# KiCad board accurate2_eval.kicad_pcb (continued)
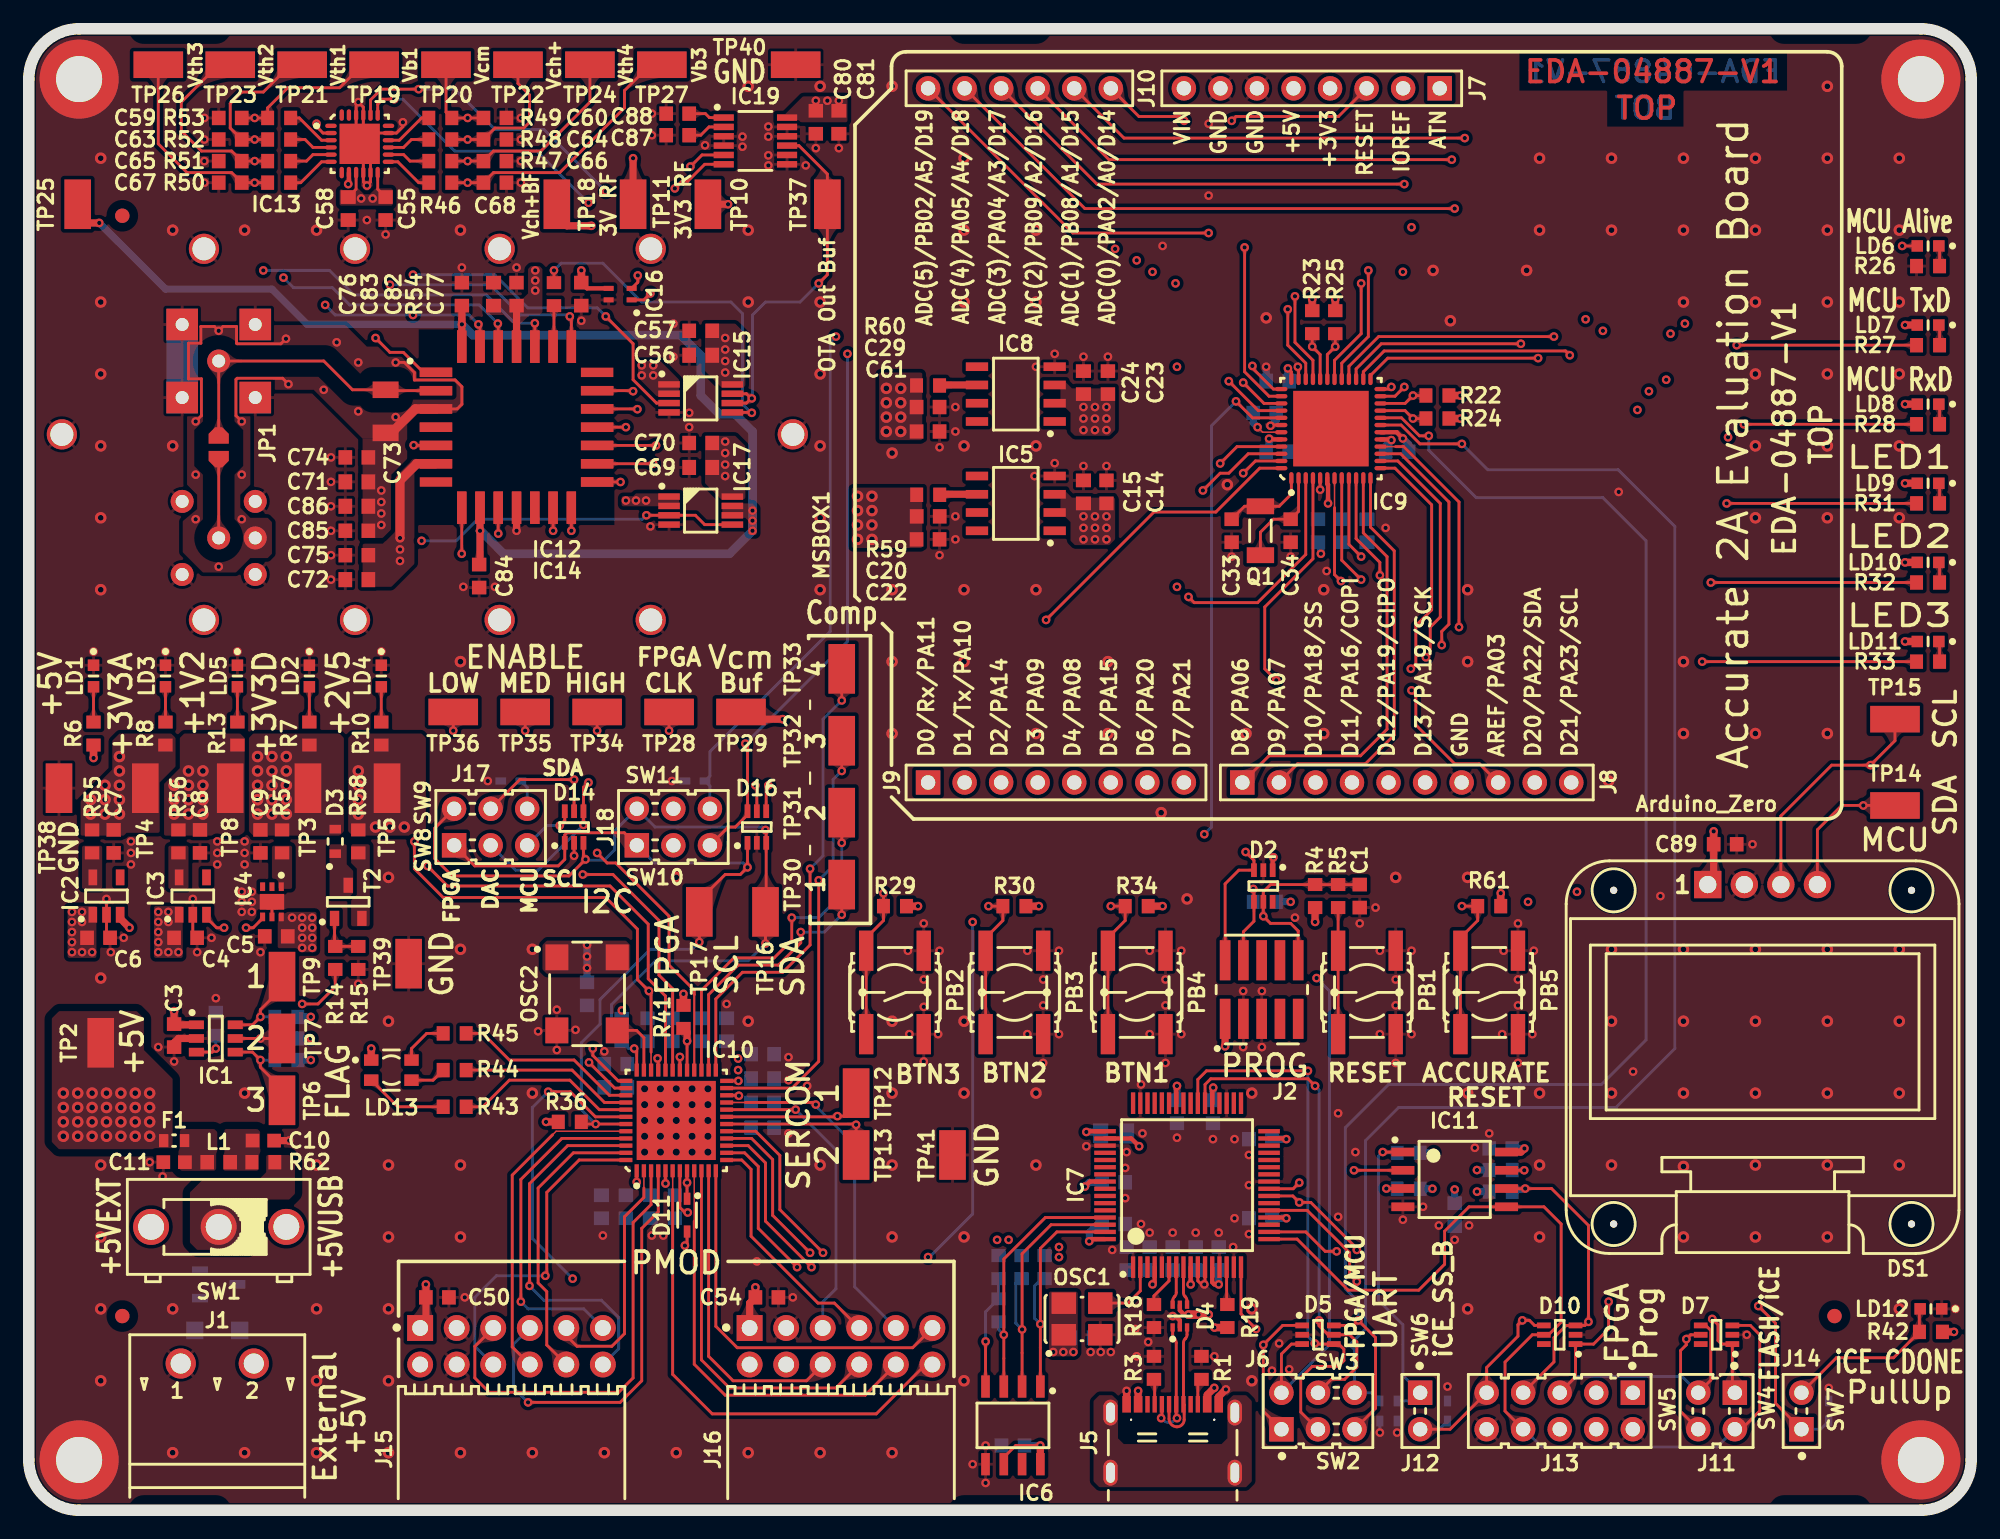
[diagram p0: board, top side]
## Library data of the parts (continued)
R2 R7 R8 R10 R13 R19 R29-R34 R42 = -: Datasheet: \\cern.ch\dfs\Applications\Altium\Datasheets\R0603_NIC_NRC.pdf; Author: CERN DEM JLC; Case: 0603; Comment: 1k; Component Kind: Standard; Component Type: Standard; CreateDate: 12/03/07 00:00:00; Database Table Name: Resistors; Footprint Library: Resistors SMD; Footprint Path: PcbLib\Resistors SMD.PcbLib; Footprint Ref: RESC1608X55N; HelpURL: \\cern.ch\dfs\Applications\Altium\Datasheets\R0603_NIC_NRC.pdf; LatestRevisionDate: 03/13/08 00:00:00; Library Name: Resistors SMD; Library Path: SchLib\Resistors.SchLib; Library Ref: Resistor - 1%; License: This work is licensed under the Creative Commons CC-BY-SA 4.0 License. To the extent that circuit schematics that use Licensed Material can be considered to be ‘Adapted Material’, then the copyright holder waives article 3.b of the license with respect to these schematics.; Manufacturer: GENERIC; Manufacturer1 ComponentHeight: 0.55mm; Manufacturer1 Example: NIC COMPONENT; Manufacturer1 Part Number: NRC06F1001TRF; Mounted: Yes; Part Description: General Purpose Thick Film Chip Resistor; Pin Count: 2; Power: 0.1W; PressFit: No; SMD: Yes; Sense: No; Socket: No; Status: Preferred; TC: ±100ppm/°C; Tolerance: ±1%; Val: 1k
R4 R16 R20 R21 R37-R40 R61 = -: Datasheet: \\cern.ch\dfs\Applications\Altium\Datasheets\R0603_NIC_NRC.pdf; Author: CERN DEM JLC; Case: 0603; Comment: 10k; Component Kind: Standard; Component Type: Standard; CreateDate: 12/03/07 00:00:00; Database Table Name: Resistors; Footprint Library: Resistors SMD; Footprint Path: PcbLib\Resistors SMD.PcbLib; Footprint Ref: RESC1608X55N; HelpURL: \\cern.ch\dfs\Applications\Altium\Datasheets\R0603_NIC_NRC.pdf; LatestRevisionDate: 03/13/08 00:00:00; Library Name: Resistors SMD; Library Path: SchLib\Resistors.SchLib; Library Ref: Resistor - 1%; License: This work is licensed under the Creative Commons CC-BY-SA 4.0 License. To the extent that circuit schematics that use Licensed Material can be considered to be ‘Adapted Material’, then the copyright holder waives article 3.b of the license with respect to these schematics.; Manufacturer: GENERIC; Manufacturer1 ComponentHeight: 0.55mm; Manufacturer1 Example: NIC COMPONENT; Manufacturer1 Part Number: NRC06F1002TRF; Mounted: Yes; Part Description: General Purpose Thick Film Chip Resistor; Pin Count: 2; Power: 0.1W; PressFit: No; SMD: Yes; Sense: No; Socket: No; Status: Preferred; TC: ±100ppm/°C; Tolerance: ±1%; Val: 10k
R5 R15 = -: Datasheet: \\cern.ch\dfs\Applications\Altium\Datasheets\R0603_NIC_NRC.pdf; Author: CERN DEM JLC; Case: 0603; Comment: 330; Component Kind: Standard; Component Type: Standard; CreateDate: 12/03/07 00:00:00; Database Table Name: Resistors; Footprint Library: Resistors SMD; Footprint Path: PcbLib\Resistors SMD.PcbLib; Footprint Ref: RESC1608X55N; HelpURL: \\cern.ch\dfs\Applications\Altium\Datasheets\R0603_NIC_NRC.pdf; LatestRevisionDate: 03/13/08 00:00:00; Library Name: Resistors SMD; Library Path: SchLib\Resistors.SchLib; Library Ref: Resistor - 1%; License: This work is licensed under the Creative Commons CC-BY-SA 4.0 License. To the extent that circuit schematics that use Licensed Material can be considered to be ‘Adapted Material’, then the copyright holder waives article 3.b of the license with respect to these schematics.; Manufacturer: GENERIC; Manufacturer1 ComponentHeight: 0.55mm; Manufacturer1 Example: NIC COMPONENT; Manufacturer1 Part Number: NRC06F3300TRF; Mounted: Yes; Part Description: General Purpose Thick Film Chip Resistor; Pin Count: 2; Power: 0.1W; PressFit: No; SMD: Yes; Sense: No; Socket: No; Status: Preferred; TC: ±100ppm/°C; Tolerance: ±1%; Val: 330
R6 R17 R43-R45 = -: Datasheet: \\cern.ch\dfs\Applications\Altium\Datasheets\R0603_NIC_NRC.pdf; Author: CERN DEM JLC; Case: 0603; Comment: 2k2; Component Kind: Standard; Component Type: Standard; CreateDate: 12/03/07 00:00:00; Database Table Name: Resistors; Footprint Library: Resistors SMD; Footprint Path: PcbLib\Resistors SMD.PcbLib; Footprint Ref: RESC1608X55N; HelpURL: \\cern.ch\dfs\Applications\Altium\Datasheets\R0603_NIC_NRC.pdf; LatestRevisionDate: 03/13/08 00:00:00; Library Name: Resistors SMD; Library Path: SchLib\Resistors.SchLib; Library Ref: Resistor - 1%; License: This work is licensed under the Creative Commons CC-BY-SA 4.0 License. To the extent that circuit schematics that use Licensed Material can be considered to be ‘Adapted Material’, then the copyright holder waives article 3.b of the license with respect to these schematics.; Manufacturer: GENERIC; Manufacturer1 ComponentHeight: 0.55mm; Manufacturer1 Example: NIC COMPONENT; Manufacturer1 Part Number: NRC06F2201TRF; Mounted: Yes; Part Description: General Purpose Thick Film Chip Resistor; Pin Count: 2; Power: 0.1W; PressFit: No; SMD: Yes; Sense: No; Socket: No; Status: Preferred; TC: ±100ppm/°C; Tolerance: ±1%; Val: 2k2
R9 R11 R12 = -: Datasheet: \\cern.ch\dfs\Applications\Altium\Datasheets\R0603_NIC_NRC.pdf; Author: CERN DEM JLC; Case: 0603; Comment: 100k; Component Kind: Standard; Component Type: Standard; CreateDate: 12/03/07 00:00:00; Database Table Name: Resistors; Footprint Library: Resistors SMD; Footprint Path: PcbLib\Resistors SMD.PcbLib; Footprint Ref: RESC1608X55N; HelpURL: \\cern.ch\dfs\Applications\Altium\Datasheets\R0603_NIC_NRC.pdf; LatestRevisionDate: 03/13/08 00:00:00; Library Name: Resistors SMD; Library Path: SchLib\Resistors.SchLib; Library Ref: Resistor - 1%; License: This work is licensed under the Creative Commons CC-BY-SA 4.0 License. To the extent that circuit schematics that use Licensed Material can be considered to be ‘Adapted Material’, then the copyright holder waives article 3.b of the license with respect to these schematics.; Manufacturer: GENERIC; Manufacturer1 ComponentHeight: 0.55mm; Manufacturer1 Example: NIC COMPONENT; Manufacturer1 Part Number: NRC06F1003TRF; Mounted: Yes; Part Description: General Purpose Thick Film Chip Resistor; Pin Count: 2; Power: 0.1W; PressFit: No; SMD: Yes; Sense: No; Socket: No; Status: Preferred; TC: ±100ppm/°C; Tolerance: ±1%; Val: 100k
R14 R26-R28 = -: Datasheet: \\cern.ch\dfs\Applications\Altium\Datasheets\R0603_NIC_NRC.pdf; Author: CERN DEM JLC; Case: 0603; Comment: 470; Component Kind: Standard; Component Type: Standard; CreateDate: 12/03/07 00:00:00; Database Table Name: Resistors; Footprint Library: Resistors SMD; Footprint Path: PcbLib\Resistors SMD.PcbLib; Footprint Ref: RESC1608X55N; HelpURL: \\cern.ch\dfs\Applications\Altium\Datasheets\R0603_NIC_NRC.pdf; LatestRevisionDate: 03/13/08 00:00:00; Library Name: Resistors SMD; Library Path: SchLib\Resistors.SchLib; Library Ref: Resistor - 1%; License: This work is licensed under the Creative Commons CC-BY-SA 4.0 License. To the extent that circuit schematics that use Licensed Material can be considered to be ‘Adapted Material’, then the copyright holder waives article 3.b of the license with respect to these schematics.; Manufacturer: GENERIC; Manufacturer1 ComponentHeight: 0.55mm; Manufacturer1 Example: NIC COMPONENT; Manufacturer1 Part Number: NRC06F4700TRF; Mounted: Yes; Part Description: General Purpose Thick Film Chip Resistor; Pin Count: 2; Power: 0.1W; PressFit: No; SMD: Yes; Sense: No; Socket: No; Status: Preferred; TC: ±100ppm/°C; Tolerance: ±1%; Val: 470
R18 = -: Datasheet: \\cern.ch\dfs\Applications\Altium\Datasheets\R0603_NIC_NRC.pdf; Author: CERN DEM JLC; Case: 0603; Comment: 12k; Component Kind: Standard; Component Type: Standard; CreateDate: 12/03/07 00:00:00; Database Table Name: Resistors; Footprint Library: Resistors SMD; Footprint Path: PcbLib\Resistors SMD.PcbLib; Footprint Ref: RESC1608X55N; HelpURL: \\cern.ch\dfs\Applications\Altium\Datasheets\R0603_NIC_NRC.pdf; LatestRevisionDate: 03/13/08 00:00:00; Library Name: Resistors SMD; Library Path: SchLib\Resistors.SchLib; Library Ref: Resistor - 1%; License: This work is licensed under the Creative Commons CC-BY-SA 4.0 License. To the extent that circuit schematics that use Licensed Material can be considered to be ‘Adapted Material’, then the copyright holder waives article 3.b of the license with respect to these schematics.; Manufacturer: GENERIC; Manufacturer1 ComponentHeight: 0.55mm; Manufacturer1 Example: NIC COMPONENT; Manufacturer1 Part Number: NRC06F1202TRF; Mounted: Yes; Part Description: General Purpose Thick Film Chip Resistor; Pin Count: 2; Power: 0.1W; PressFit: No; SMD: Yes; Sense: No; Socket: No; Status: Preferred; TC: ±100ppm/°C; Tolerance: ±1%; Val: 12k
R22 R24 R35 R36 = -: Datasheet: \\cern.ch\dfs\Applications\Altium\Datasheets\R0603_NIC_NRC.pdf; Author: CERN DEM JLC; Case: 0603; Comment: 4k7; Component Kind: Standard; Component Type: Standard; CreateDate: 12/03/07 00:00:00; Database Table Name: Resistors; Footprint Library: Resistors SMD; Footprint Path: PcbLib\Resistors SMD.PcbLib; Footprint Ref: RESC1608X55N; HelpURL: \\cern.ch\dfs\Applications\Altium\Datasheets\R0603_NIC_NRC.pdf; LatestRevisionDate: 03/13/08 00:00:00; Library Name: Resistors SMD; Library Path: SchLib\Resistors.SchLib; Library Ref: Resistor - 1%; License: This work is licensed under the Creative Commons CC-BY-SA 4.0 License. To the extent that circuit schematics that use Licensed Material can be considered to be ‘Adapted Material’, then the copyright holder waives article 3.b of the license with respect to these schematics.; Manufacturer: GENERIC; Manufacturer1 ComponentHeight: 0.55mm; Manufacturer1 Example: NIC COMPONENT; Manufacturer1 Part Number: NRC06F4701TRF; Mounted: No; Part Description: General Purpose Thick Film Chip Resistor; Pin Count: 2; Power: 0.1W; PressFit: No; SMD: Yes; Sense: No; Socket: No; Status: Preferred; TC: ±100ppm/°C; Tolerance: ±1%; Val: 4k7
R23 R25 = -: Datasheet: \\cern.ch\dfs\Applications\Altium\Datasheets\R0603_NIC_NRC.pdf; Author: CERN DEM JLC; Case: 0603; Comment: 4k7; Component Kind: Standard; Component Type: Standard; CreateDate: 12/03/07 00:00:00; Database Table Name: Resistors; Footprint Library: Resistors SMD; Footprint Path: PcbLib\Resistors SMD.PcbLib; Footprint Ref: RESC1608X55N; HelpURL: \\cern.ch\dfs\Applications\Altium\Datasheets\R0603_NIC_NRC.pdf; LatestRevisionDate: 03/13/08 00:00:00; Library Name: Resistors SMD; Library Path: SchLib\Resistors.SchLib; Library Ref: Resistor - 1%; License: This work is licensed under the Creative Commons CC-BY-SA 4.0 License. To the extent that circuit schematics that use Licensed Material can be considered to be ‘Adapted Material’, then the copyright holder waives article 3.b of the license with respect to these schematics.; Manufacturer: GENERIC; Manufacturer1 ComponentHeight: 0.55mm; Manufacturer1 Example: NIC COMPONENT; Manufacturer1 Part Number: NRC06F4701TRF; Mounted: Yes; Part Description: General Purpose Thick Film Chip Resistor; Pin Count: 2; Power: 0.1W; PressFit: No; SMD: Yes; Sense: No; Socket: No; Status: Preferred; TC: ±100ppm/°C; Tolerance: ±1%; Val: 4k7
R41 = -: Datasheet: \\cern.ch\dfs\Applications\Altium\Datasheets\R0603_NIC_NRC.pdf; Author: CERN DEM JLC; Case: 0603; Comment: 100; Component Kind: Standard; Component Type: Standard; CreateDate: 12/03/07 00:00:00; Database Table Name: Resistors; Footprint Library: Resistors SMD; Footprint Path: PcbLib\Resistors SMD.PcbLib; Footprint Ref: RESC1608X55N; HelpURL: \\cern.ch\dfs\Applications\Altium\Datasheets\R0603_NIC_NRC.pdf; LatestRevisionDate: 03/13/08 00:00:00; Library Name: Resistors SMD; Library Path: SchLib\Resistors.SchLib; Library Ref: Resistor - 1%; License: This work is licensed under the Creative Commons CC-BY-SA 4.0 License. To the extent that circuit schematics that use Licensed Material can be considered to be ‘Adapted Material’, then the copyright holder waives article 3.b of the license with respect to these schematics.; Manufacturer: GENERIC; Manufacturer1 ComponentHeight: 0.55mm; Manufacturer1 Example: NIC COMPONENT; Manufacturer1 Part Number: NRC06F4700TRF; Mounted: Yes; Part Description: General Purpose Thick Film Chip Resistor; Pin Count: 2; Power: 0.1W; PressFit: No; SMD: Yes; Sense: No; Socket: No; Status: Preferred; TC: ±100ppm/°C; Tolerance: ±1%; Val: 100
R46-R60 R62 = -: Datasheet: \\cern.ch\dfs\Applications\Altium\Datasheets\R0603_NIC_NRC.pdf; Author: CERN DEM JLC; Case: 0603; Comment: 0; Component Kind: Standard; Component Type: Standard; CreateDate: 12/03/07 00:00:00; Database Table Name: Resistors; Footprint Library: Resistors SMD; Footprint Path: PcbLib\Resistors SMD.PcbLib; Footprint Ref: RESC1608X55N; HelpURL: \\cern.ch\dfs\Applications\Altium\Datasheets\R0603_NIC_NRC.pdf; LatestRevisionDate: 03/13/08 00:00:00; Library Name: Resistors SMD; Library Path: SchLib\Resistors.SchLib; Library Ref: Resistor; License: This work is licensed under the Creative Commons CC-BY-SA 4.0 License. To the extent that circuit schematics that use Licensed Material can be considered to be ‘Adapted Material’, then the copyright holder waives article 3.b of the license with respect to these schematics.; Manufacturer: GENERIC; Manufacturer1 ComponentHeight: 0.55mm; Manufacturer1 Example: NIC COMPONENT; Manufacturer1 Part Number: NRC06Z0; Mounted: Yes; Part Description: 1A (0.05R Max DC Resistance) Zero Ohm Jumper; Pin Count: 2; PressFit: No; SMD: Yes; Sense: No; Socket: No; Status: Preferred; Val: 0
SW1 = -: Datasheet: \\cern.ch\dfs\Applications\Altium\Datasheets\SW_NKK_MS.pdf; Author: CERN DEM HF; Component Kind: Standard; Component Type: Standard; ComponentHeight: 13.05mm; CreateDate: 10/30/23 00:00:00; Database Table Name: Eletro-mechanical; Family: Switch; Footprint Library: Switches; Footprint Path: PcbLib\Switches.PcbLib; HelpURL: \\cern.ch\dfs\Applications\Altium\Datasheets\SW_NKK_MS.pdf; LatestRevisionDate: 10/30/23 00:00:00; Library Name: Switches; Library Path: SchLib\Switches.SchLib; Library Ref: SW SPDT 1NC-2C-3NO; License: This work is licensed under the Creative Commons CC-BY-SA 4.0 License. To the extent that circuit schematics that use Licensed Material can be considered to be ‘Adapted Material’, then the copyright holder waives article 3.b of the license with respect to these schematics.; Manufacturer: NKK SWITCHES; Manufacturer Part Number: MS12ANW03; Mounted: Yes; PackageDescription: Body 6.6x12.7mm, Vertical PCB Mounting, SPDT ON-NONE-ON Switch, NKK MS Series; Part Description: Vertical PCB Mounting, SPDT ON-NONE-ON Switch, Contact Rating 6A 125V, NKK MS Series; Pin Count: 3; PressFit: No; SMD: No; Sense: No; Socket: No; Status: None
SW2-SW11 = -: Datasheet: \\cern.ch\dfs\Applications\Altium\Datasheets\STELVIO-KONTEK_3131730000400.pdf; Author: CERN DEM JLC; Component Kind: Accessories; Component Type: Standard; ComponentHeight: 6.5mm; CreateDate: 08/27/13 00:00:00; Database Table Name: Connectors; Family: Jumper; Footprint Library: COMATEL THD; Footprint Path: PcbLib\COMATEL THD.PcbLib; Footprint Ref: STELVIO-KONTEK_3131730000400; HelpURL: \\cern.ch\dfs\Applications\Altium\Datasheets\STELVIO-KONTEK_3131730000400.pdf; LatestRevisionDate: 08/27/13 00:00:00; Library Name: STELVIO-KONTEK COMATEL; Library Path: SchLib\Connectors.SchLib; Library Ref: Jumper Type1; License: This work is licensed under the Creative Commons CC-BY-SA 4.0 License. To the extent that circuit schematics that use Licensed Material can be considered to be ‘Adapted Material’, then the copyright holder waives article 3.b of the license with respect to these schematics.; Manufacturer: STELVIO-KONTEK; Manufacturer Part Number: 3131730000400; Mounted: Yes; Part Description: Closed Insulated Black Jumper Pitch 2.54mm; Part Number: STELVIO-KONTEK_3131730000400; Pin Count: 1; PressFit: No; SCEM: 09.55.10.960.9; SMD: No; Sense: No; Socket: No; Status: None
T1 = -: Datasheet: \\cern.ch\dfs\Applications\Altium\Datasheets\DMP2066LSN-7.pdf; Author: CERN DEM JLC; Bonding: No; Case: SOT23-3; Component Kind: Standard; Component Type: Standard; ComponentHeight: 1.4mm; CreateDate: 11/17/14 00:00:00; Database Table Name: ICs And Semiconductors; Footprint Library: ICs And Semiconductors SMD; Footprint Path: PcbLib\ICs And Semiconductors SMD.PcbLib; Footprint Ref: SOT95P285X140-3N; HelpURL: \\cern.ch\dfs\Applications\Altium\Datasheets\DMP2066LSN-7.pdf; LatestRevisionDate: 11/17/14 00:00:00; Library Name: Transistors; Library Path: SchLib\Transistors.SchLib; Library Ref: P-MOSFET-D 1G 2S 3D; License: This work is licensed under the Creative Commons CC-BY-SA 4.0 License. To the extent that circuit schematics that use Licensed Material can be considered to be ‘Adapted Material’, then the copyright holder waives article 3.b of the license with respect to these schematics.; Manufacturer: DIODES INCORPORATED; Mounted: Yes; PackageDescription: SOT, 0.95mm Pitch; 3 Pin, 1.60mm W X 3.00mm L X 1.40mm H body, IPC Medium Density; Part Description: 20V, 4.6A, P-Channel Enhancement Mode MOSFET; Pin Count: 3; PressFit: No; SMD: Yes; Sense: No; Socket: No
T2 = -: Datasheet: \\cern.ch\dfs\Applications\Altium\Datasheets\2N7002.pdf; Author: CERN DEM JLC; Bonding: No; Case: SOT23-3; Component Kind: Standard; Component Type: Standard; ComponentHeight: 1.3mm; CreateDate: 08/20/08 00:00:00; Database Table Name: ICs And Semiconductors; Footprint Library: ICs And Semiconductors SMD; Footprint Path: PcbLib\ICs And Semiconductors SMD.PcbLib; Footprint Ref: SOT95P240X130-3N; HelpURL: \\cern.ch\dfs\Applications\Altium\Datasheets\2N7002.pdf; LatestRevisionDate: 04/07/09 00:00:00; Library Name: Transistors; Library Path: SchLib\Transistors.SchLib; Library Ref: N-MOSFET-D 1G 2S 3D; License: This work is licensed under the Creative Commons CC-BY-SA 4.0 License. To the extent that circuit schematics that use Licensed Material can be considered to be ‘Adapted Material’, then the copyright holder waives article 3.b of the license with respect to these schematics.; Manufacturer: FAIRCHILD SEMICONDUCTOR; Mounted: Yes; PackageDescription: SOT23, 0.95mm Pitch; 3 Pin, 1.30mm W X 2.90mm L X 1.30mm H body, IPC Medium Density; Part Description: 60V, 280mA, N-Channel Enhancement Mode Field Effect Transistor (FET); Pin Count: 3; PressFit: No; SMD: Yes; Sense: No; Socket: No
TP2-TP6 TP8 TP10 TP11 TP13 TP14 TP17-TP33 TP35 TP37-TP41 = -: Datasheet: \\cern.ch\dfs\Applications\Altium\Datasheets\HARWIN_S1751-46.pdf; Author: CERN DEM MR; Component Kind: Standard; Component Type: Standard; ComponentHeight: 2mm; CreateDate: 02/10/16 00:00:00; Database Table Name: Connectors; Family: Test Point; Footprint Library: HARWIN SMD; Footprint Path: PcbLib\HARWIN SMD.PcbLib; HelpURL: \\cern.ch\dfs\Applications\Altium\Datasheets\HARWIN_S1751-46.pdf; LatestRevisionDate: 10/11/23 00:00:00; Library Name: HARWIN; Library Path: SchLib\Connectors.SchLib; Library Ref: Test Point; License: This work is licensed under the Creative Commons CC-BY-SA 4.0 License. To the extent that circuit schematics that use Licensed Material can be considered to be ‘Adapted Material’, then the copyright holder waives article 3.b of the license with respect to these schematics.; Manufacturer: HARWIN; Manufacturer Part Number: S1751-46R; Mounted: Yes; Part Description: Surface Mount PCB Test Point; Pin Count: 1; PressFit: No; SMD: Yes; Sense: No; Socket: No; Status: None
TP7 TP9 = -: Datasheet: \\cern.ch\dfs\Applications\Altium\Datasheets\HARWIN_S1751-46.pdf; Author: CERN DEM MR; Component Kind: Standard; Component Type: Standard; ComponentHeight: 2mm; CreateDate: 02/10/16 00:00:00; Database Table Name: Connectors; Family: Test Point; Footprint Library: HARWIN SMD; Footprint Path: PcbLib\HARWIN SMD.PcbLib; HelpURL: \\cern.ch\dfs\Applications\Altium\Datasheets\HARWIN_S1751-46.pdf; LatestRevisionDate: 10/11/23 00:00:00; Library Name: HARWIN; Library Path: SchLib\Connectors.SchLib; Library Ref: Test Point; License: This work is licensed under the Creative Commons CC-BY-SA 4.0 License. To the extent that circuit schematics that use Licensed Material can be considered to be ‘Adapted Material’, then the copyright holder waives article 3.b of the license with respect to these schematics.; Manufacturer: HARWIN; Manufacturer Part Number: S1751-46R; Mounted: Yes; Part Description: Surface Mount PCB Test Point; Pin Count: 1; PressFit: No; SMD: Yes; Sense: No; Socket: No; Status: None; Field47: FLAG
TP12 = -: Datasheet: \\cern.ch\dfs\Applications\Altium\Datasheets\HARWIN_S1751-46.pdf; Author: CERN DEM MR; Component Kind: Standard; Component Type: Standard; ComponentHeight: 2mm; CreateDate: 02/10/16 00:00:00; Database Table Name: Connectors; Family: Test Point; Footprint Library: HARWIN SMD; Footprint Path: PcbLib\HARWIN SMD.PcbLib; HelpURL: \\cern.ch\dfs\Applications\Altium\Datasheets\HARWIN_S1751-46.pdf; LatestRevisionDate: 10/11/23 00:00:00; Library Name: HARWIN; Library Path: SchLib\Connectors.SchLib; Library Ref: Test Point; License: This work is licensed under the Creative Commons CC-BY-SA 4.0 License. To the extent that circuit schematics that use Licensed Material can be considered to be ‘Adapted Material’, then the copyright holder waives article 3.b of the license with respect to these schematics.; Manufacturer: HARWIN; Manufacturer Part Number: S1751-46R; Mounted: Yes; Part Description: Surface Mount PCB Test Point; Pin Count: 1; PressFit: No; SMD: Yes; Sense: No; Socket: No; Status: None; Field47: SERCOM
TP15 = -: Datasheet: \\cern.ch\dfs\Applications\Altium\Datasheets\HARWIN_S1751-46.pdf; Author: CERN DEM MR; Component Kind: Standard; Component Type: Standard; ComponentHeight: 2mm; CreateDate: 02/10/16 00:00:00; Database Table Name: Connectors; Family: Test Point; Footprint Library: HARWIN SMD; Footprint Path: PcbLib\HARWIN SMD.PcbLib; HelpURL: \\cern.ch\dfs\Applications\Altium\Datasheets\HARWIN_S1751-46.pdf; LatestRevisionDate: 10/11/23 00:00:00; Library Name: HARWIN; Library Path: SchLib\Connectors.SchLib; Library Ref: Test Point; License: This work is licensed under the Creative Commons CC-BY-SA 4.0 License. To the extent that circuit schematics that use Licensed Material can be considered to be ‘Adapted Material’, then the copyright holder waives article 3.b of the license with respect to these schematics.; Manufacturer: HARWIN; Manufacturer Part Number: S1751-46R; Mounted: Yes; Part Description: Surface Mount PCB Test Point; Pin Count: 1; PressFit: No; SMD: Yes; Sense: No; Socket: No; Status: None; Field47: MCU
TP16 = -: Datasheet: \\cern.ch\dfs\Applications\Altium\Datasheets\HARWIN_S1751-46.pdf; Author: CERN DEM MR; Component Kind: Standard; Component Type: Standard; ComponentHeight: 2mm; CreateDate: 02/10/16 00:00:00; Database Table Name: Connectors; Family: Test Point; Footprint Library: HARWIN SMD; Footprint Path: PcbLib\HARWIN SMD.PcbLib; HelpURL: \\cern.ch\dfs\Applications\Altium\Datasheets\HARWIN_S1751-46.pdf; LatestRevisionDate: 10/11/23 00:00:00; Library Name: HARWIN; Library Path: SchLib\Connectors.SchLib; Library Ref: Test Point; License: This work is licensed under the Creative Commons CC-BY-SA 4.0 License. To the extent that circuit schematics that use Licensed Material can be considered to be ‘Adapted Material’, then the copyright holder waives article 3.b of the license with respect to these schematics.; Manufacturer: HARWIN; Manufacturer Part Number: S1751-46R; Mounted: Yes; Part Description: Surface Mount PCB Test Point; Pin Count: 1; PressFit: No; SMD: Yes; Sense: No; Socket: No; Status: None; Field47: FPGA
TP34 TP36 = -: Datasheet: \\cern.ch\dfs\Applications\Altium\Datasheets\HARWIN_S1751-46.pdf; Author: CERN DEM MR; Component Kind: Standard; Component Type: Standard; ComponentHeight: 2mm; CreateDate: 02/10/16 00:00:00; Database Table Name: Connectors; Family: Test Point; Footprint Library: HARWIN SMD; Footprint Path: PcbLib\HARWIN SMD.PcbLib; HelpURL: \\cern.ch\dfs\Applications\Altium\Datasheets\HARWIN_S1751-46.pdf; LatestRevisionDate: 10/11/23 00:00:00; Library Name: HARWIN; Library Path: SchLib\Connectors.SchLib; Library Ref: Test Point; License: This work is licensed under the Creative Commons CC-BY-SA 4.0 License. To the extent that circuit schematics that use Licensed Material can be considered to be ‘Adapted Material’, then the copyright holder waives article 3.b of the license with respect to these schematics.; Manufacturer: HARWIN; Manufacturer Part Number: S1751-46R; Mounted: Yes; Part Description: Surface Mount PCB Test Point; Pin Count: 1; PressFit: No; SMD: Yes; Sense: No; Socket: No; Status: None; Field47: ENABLE

## Footprints (pads in the part's own frame, mm; a bottom-side part is the same pattern mirrored in y, then rotated)
CAPC1608X87N
  rect 0.95x1 smd: 1(-0.8,0) 2(0.8,0)
CAPC1608X90N
  rect 0.95x0.95 smd: 1(-0.75,0) 2(0.75,0)
CAPC1709X100N
  rect 0.95x1.05 smd: 1(-0.8,0) 2(0.8,0)
CAPC2012X135N
  rect 1.05x1.4 smd: 1(-0.9,0) 2(0.9,0)
CAPC3216X140N
  rect 1.15x1.8 smd: 1(-1.5,0) 2(1.5,0)
CERN_aCCURATE1
  rect 2.25x0.65 smd: 1(-5.6,3.81) 2(-5.6,2.54) 3(-5.6,1.27) 4(-5.6,0) 5(-5.6,-1.27) 6(-5.6,-2.54) 14(5.6,-3.81) 15(5.6,-2.54) 16(5.6,-1.27) 17(5.6,0) 18(5.6,1.27) 19(5.6,2.54) L1(-5.6,3.81) L2(-5.6,2.54) L3(-5.6,1.27) L4(-5.6,0) L5(-5.6,-1.27) L6(-5.6,-2.54) L14(5.6,-3.81) L15(5.6,-2.54) L16(5.6,-1.27) L17(5.6,0) L18(5.6,1.27) L19(5.6,2.54)
  rect 0.65x2.25 smd: 7(-3.81,-5.6) 8(-2.54,-5.6) 9(-1.27,-5.6) 10(0,-5.6) 11(1.27,-5.6) 12(2.54,-5.6) 13(3.81,-5.6) 20(3.81,5.6) 21(2.54,5.6) 22(1.27,5.6) 23(0,5.6) 24(-1.27,5.6) 25(-2.54,5.6) 26(-3.81,5.6) L7(-3.81,-5.6) L8(-2.54,-5.6) L9(-1.27,-5.6) L10(0,-5.6) L11(1.27,-5.6) L12(2.54,-5.6) L13(3.81,-5.6) L20(3.81,5.6) L21(2.54,5.6) L22(1.27,5.6) L23(0,5.6) L24(-1.27,5.6) L25(-2.54,5.6) L26(-3.81,5.6)
  rect 0.105x0.102 smd: D1(-0.653,0.375) D2(-0.653,0.225) D3(-0.653,0.075) D4(-0.653,-0.075) D5(-0.653,-0.225) D6(-0.653,-0.375) D14(0.653,-0.375) D15(0.653,-0.225) D16(0.653,-0.075) D17(0.653,0.075) D18(0.653,0.225) D19(0.653,0.375)
  rect 0.102x0.105 smd: D7(-0.45,-0.578) D8(-0.3,-0.578) D9(-0.15,-0.578) D10(0,-0.578) D11(0.15,-0.578) D12(0.3,-0.578) D13(0.45,-0.578) D20(0.45,0.578) D21(0.3,0.578) D22(0.15,0.578) D23(0,0.578) D24(-0.15,0.578) D25(-0.3,0.578) D26(-0.45,0.578)
CERN_aCCURATE_JLCC28
  rect 2.25x0.65 smd: 1(-5.6,3.81) 2(-5.6,2.54) 3(-5.6,1.27) 4(-5.6,0) 5(-5.6,-1.27) 6(-5.6,-2.54) 7(-5.6,-3.81) 15(5.6,-3.81) 16(5.6,-2.54) 17(5.6,-1.27) 18(5.6,0) 19(5.6,1.27) 20(5.6,2.54) 21(5.6,3.81)
  rect 0.65x2.25 smd: 8(-3.81,-5.6) 9(-2.54,-5.6) 10(-1.27,-5.6) 11(0,-5.6) 12(1.27,-5.6) 13(2.54,-5.6) 14(3.81,-5.6) 22(3.81,5.6) 23(2.54,5.6) 24(1.27,5.6) 25(0,5.6) 26(-1.27,5.6) 27(-2.54,5.6) 28(-3.81,5.6)
DS_MIDAS_MDOB128064V2V-WI
  rect 1.9x1.9 hole 1.2: 1(-3.81,12)
  round 1.9 hole 1.2: 2(-1.27,12) 3(1.27,12) 4(3.81,12)
FIDUCIAL_TOP_C100-200
  round 1 smd: FTG2(0,0)
FUSC_BOURNS_SF-0603F
  rect 0.65x0.9 smd: 1(-0.725,0) 2(0.725,0)
GCT_USB4105-GF-A
  round 0.15 hole 0.65 unplated: (-2.89,1.59) (2.89,1.59)
  rect 0.6x1.15 smd: A1(-3.2,2.665) A4(-2.4,2.665) A9(2.4,2.665) A12(3.2,2.665)
  rect 0.3x1.15 smd: A5(-1.25,2.665) A6(-0.25,2.665) A7(0.25,2.665) A8(1.25,2.665) B5(1.75,2.665) B6(0.75,2.665) B7(-0.75,2.665) B8(-1.75,2.665)
  rrect 1x1.8 hole 0.6x1.4: SHIELD1(-4.32,2.09) SHIELD2(-4.32,-2.09) SHIELD3(4.32,2.09) SHIELD4(4.32,-2.09)
HARWIN_S1751-46
  rect 3.45x1.85 smd: 1(0,0)
INDC1608X95N
  rect 0.95x1 smd: 1(-0.8,0) 2(0.8,0)
JUMPSMD0805_G50
  rrect 1.15x1.4 smd: 1(-0.825,0) 2(0.825,0)
LED_CREE_CLV1L-FKB
  rect 1x0.8 smd: 1(-1.4,0.7) 2(-1.4,-0.7) 3(1.4,-0.7) 4(1.4,0.7)